# Altium PCB PCB1.PcbDoc
Units mm, origin at the board's own origin, x right, y up, seen from the top; angles counter-clockwise.
Board outline 152.4 x 101.6 mm, 2 copper layers (Top Layer, Bottom Layer); 47 components, 50 nets, 186 pads, 39 vias.
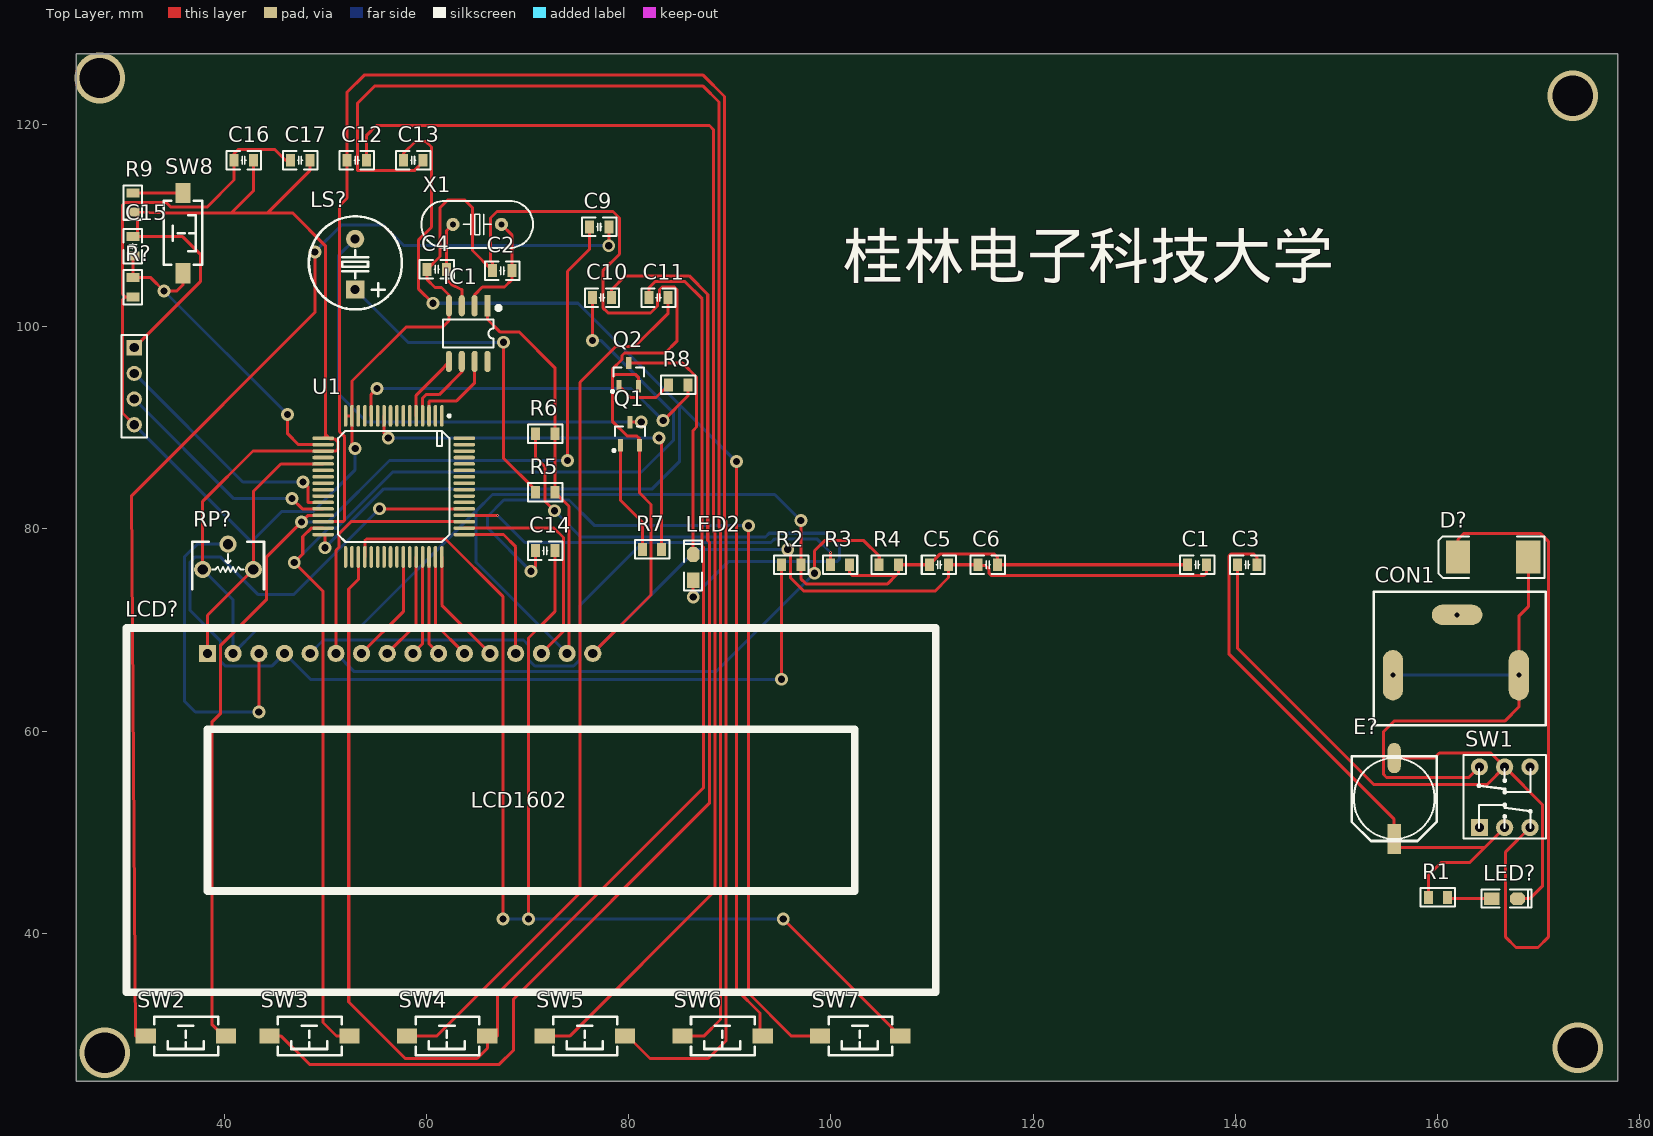
[diagram p0: Top Layer view]
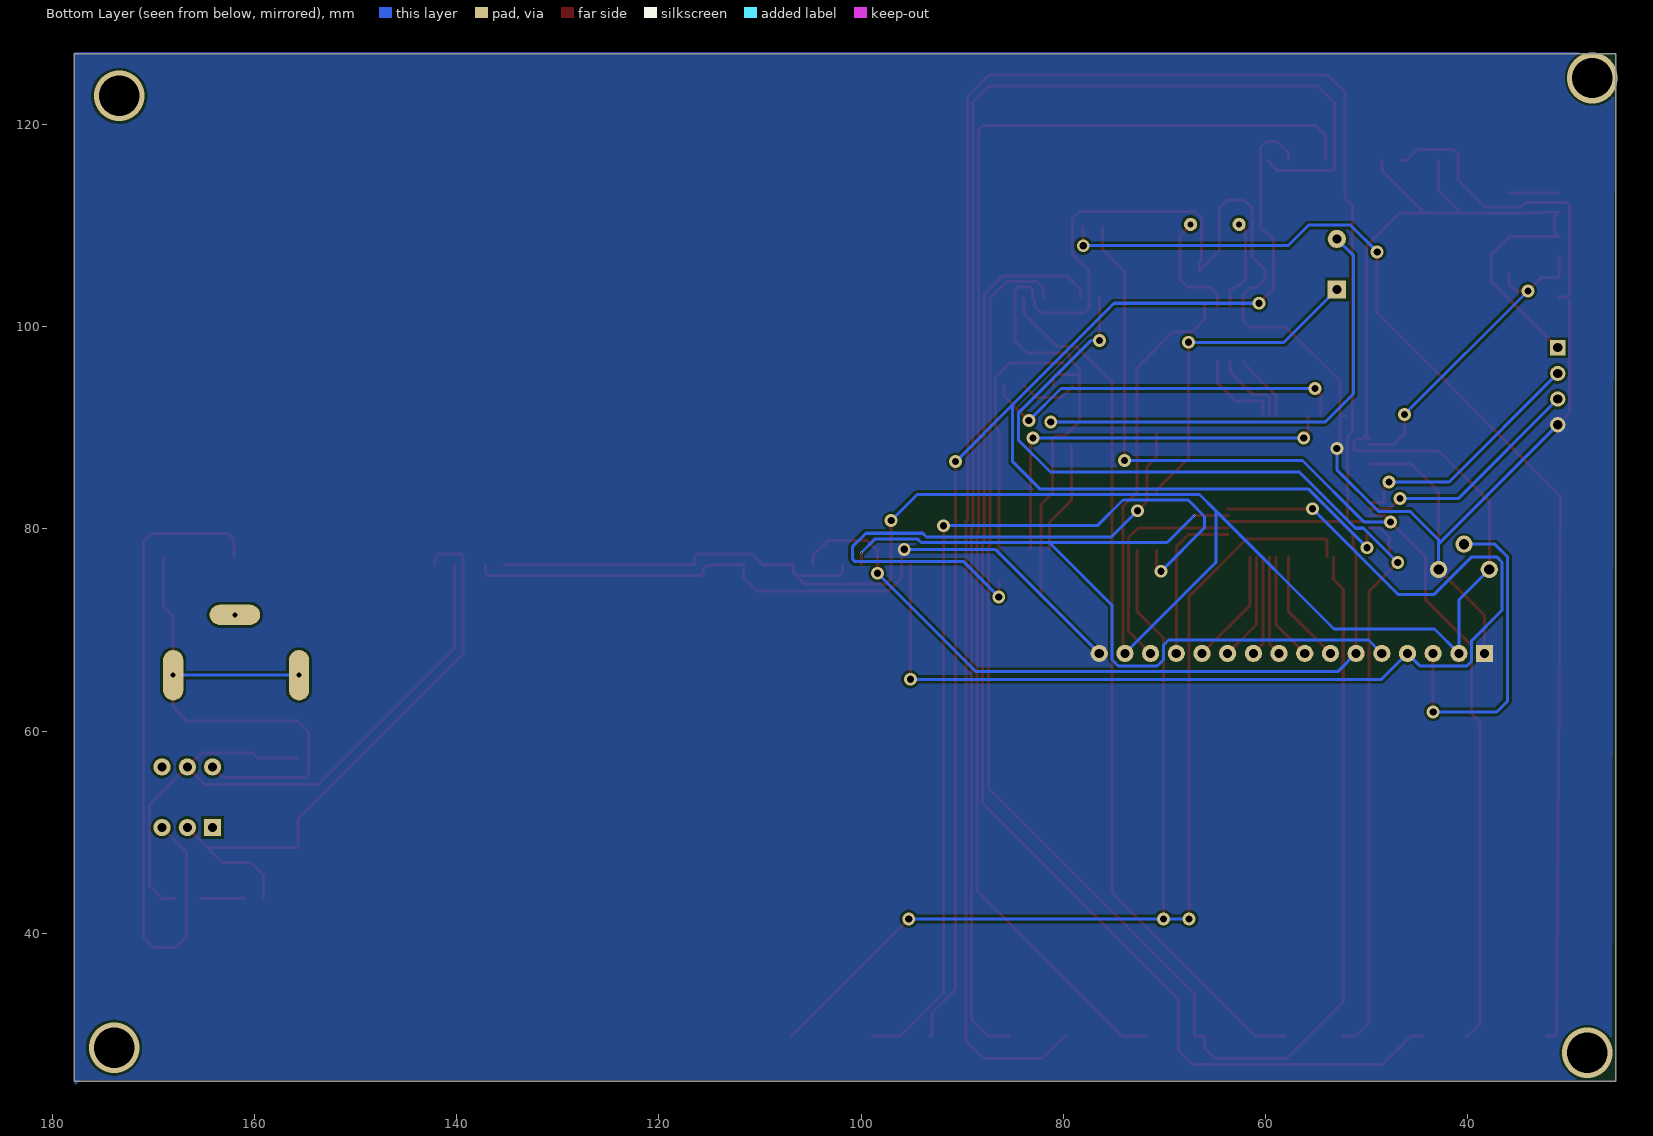
[diagram p1: Bottom Layer view, seen from below]
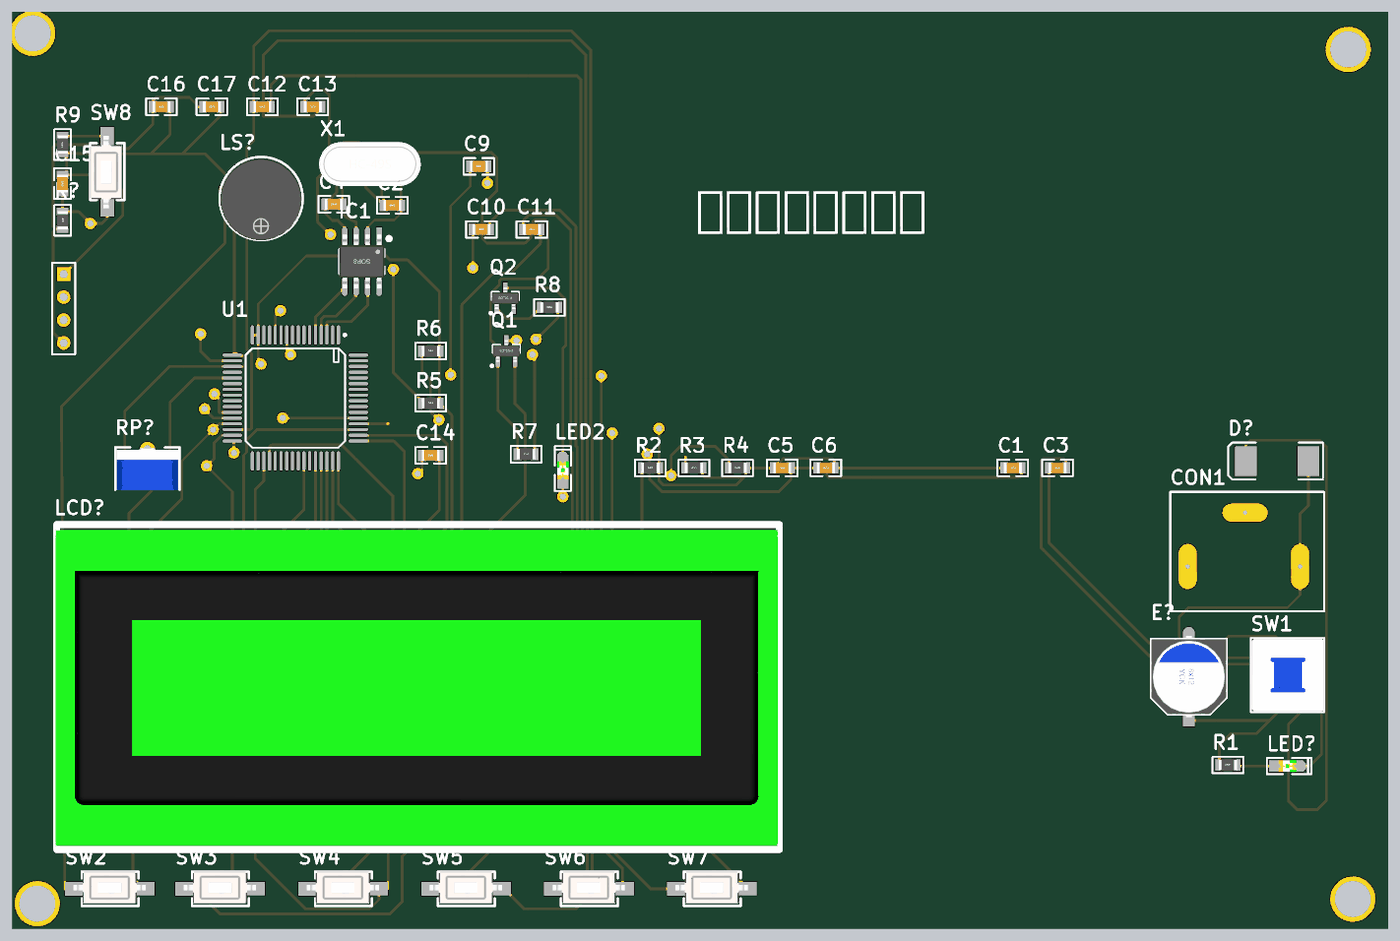
[diagram p2: 3D render of the assembled board from above, using the file's embedded part models]

## Layer stack, top to bottom
Top Solder: solder mask 0.0102, Solder Resist, Dk 3.5
Top Layer: signal copper 0.0356
Dielectric 1: dielectric 0.32, FR-4, Dk 4.8
Bottom Layer: signal copper 0.0356
Bottom Solder: solder mask 0.0102, Solder Resist, Dk 3.5

## Board outline
25.4,25.4 177.8,25.4 177.8,127 25.4,127

## Design rules (kind name [scope] priority, off if disabled: settings)
Clearance [All] p1: gap=0.254 ignorepadtopadclearanceinfootprint=FALSE except(0: Arc-Hole Track-Hole SMDPad-Hole THPad-Hole Via-Hole Fill-Hole Poly-Hole Region-Hole Text-Hole)
PolygonConnect [All] p1: connectstyle=Direct reliefconductorwidth=0.254 reliefentries=4 polygonreliefangle="90 Angle" airgapwidth=0.254
RoutingVias [All] p1: holewidth=0.711 width=1.27 viastyle="Through Hole" minholewidth=0.711 minwidth=1.27 maxholewidth=0.711 maxwidth=1.27
SolderMaskExpansion [All] p1: expansion=0.102 istentingtop=FALSE
Width [All] p1: maxlimit=5 minlimit=0.254 preferedwidth=0.3
30 further rules are at their usual default settings.

## Components (designator, comment, footprint, x,y, rotation, side; value= is the part's Value field where it differs from the comment)
C1 "104" "C 0805_L" 136.21,76.454 r0 top
C2 "22pf" "C 0805_L" 67.503,105.537 r0 top
C3 "22pf" "C 0805_L" 141.163,76.454 r0 top
C4 "22pf" "C 0805_L" 61.026,105.664 r0 top
C5 "104" "C 0805_L" 110.683,76.454 r0 top
C6 "104" "C 0805_L" 115.509,76.454 r0 top
C9 "104" "C 0805_L" 77.089,109.855 r0 top
C10 "104" "C 0805_L" 77.367,102.87 r0 top
C11 "104" "C 0805_L" 82.955,102.87 r0 top
C12 "104" "C 0805_L" 53.11,116.459 r0 top
C13 "104" "C 0805_L" 58.698,116.459 r0 top
C14 "104" "C 0805_L" 71.755,77.851 r180 top
C15 "22pf" "C 0805_L" 30.988,107.95 r270 top
C16 "104" "C 0805_L" 41.934,116.459 r0 top
C17 "104" "C 0805_L" 47.522,116.459 r0 top
CON1 "5.5*2.1" CON 161.925,71.501 r0 top
D? "SS34" SMC 165.481,77.216 r180 top
E? "10uF/10V" "CT 8*12 - C" 155.702,53.34 r270 top
IC1 "DS1302" SOP8_M 64.135,99.314 r270 top
LCD? "LCD1602" LCD-1602 38.354,67.691 r0 top
LED2 "红色" "LED 0805G" 86.384,76.2 r90 top
LED? "红色" "LED 0805G" 166.624,43.434 r0 top
LS? "BUZZ" "BEEP 5x9x5.5" 52.959,106.172 r0 top
Q1 "SS8050" SOT23-3N 80.137,89.408 r0 top
Q2 "SS8050" SOT23-3N 80.01,95.25 r0 top
R1 "1K" "R 0805_L" 160.02,43.561 r0 top
R2 "10K" "R 0805_L" 96.078,76.454 r0 top
R3 "10K" "R 0805_L" 100.904,76.454 r0 top
R4 "10K" "R 0805_L" 105.73,76.454 r0 top
R5 "1K" "R 0805_L" 71.755,83.63 r0 top
R6 "1K" "R 0805_L" 71.755,89.408 r0 top
R7 "10R" "R 0805_L" 82.32,77.978 r0 top
R8 "10R" "R 0805_L" 84.902,94.234 r0 top
R9 "1K" "R 0805_L" 30.988,112.268 r90 top
R? "10R" "R 0805_L" 30.988,103.886 r270 top
RP? "10K" 3306W 40.386,75.946 r0 top
SW1 "KET 8X8" "KFT DIP-8X8" 166.624,53.467 r0 top
SW2 "3x6x5" "TSW SMD-3*6*2.5" 36.195,29.845 r180 top
SW3 "3x6x5" "TSW SMD-3*6*2.5" 48.412,29.845 r180 top
SW4 "3x6x5" "TSW SMD-3*6*2.5" 62.027,29.845 r180 top
SW5 "3x6x5" "TSW SMD-3*6*2.5" 75.641,29.845 r180 top
SW6 "3x6x5" "TSW SMD-3*6*2.5" 89.256,29.845 r180 top
SW7 "3x6x5" "TSW SMD-3*6*2.5" 102.87,29.845 r180 top
SW8 "3x6x5" "TSW SMD-3*6*2.5" 35.941,109.22 r270 top
U1 "STC8A8K64S4A12-28I-LQFP64" CQFP64P1522X1522X310-64N 56.769,84.201 r270 top
X1 "32.768KHz" "OSC HC-49S" 65.024,110.109 r0 top
? "JP1" HDR1X4 31.115,97.917 r270 top

## Footprints (in the part's own frame and the unit in brackets; to place one, negate y for a bottom-side part, rotate by r counter-clockwise, add the part's x,y. Pads: shape width x height; smd on the part's side, far side on the other; paste and mask are expansions set on the pad)
3306W [mm] "https://item.taobao.com/item.htm?ft=t&id=613637044352"
  round 1.7 hole 1: 1(-2.5,0.04) 2(0,2.54) 3(2.5,0.04)
  silkscreen extent -3.56,-1.91 3.56,2.79, body extent -3.4,-1.96 3.4,2.69, height 8.6
"BEEP 5x9x5.5" [mm] "5*9*5.5mm(脚距,直径,高度)"
  rect 1.8x1.8 hole 0.9: 1(0,-2.5)
  round 1.8 hole 0.9: 2(0,2.5)
  silkscreen extent -4.58,-4.47 4.62,4.72, body extent -4.5,-4.5 4.5,4.5, height 5.45
"C 0805_L" [mil] "无极性贴片电容"
  rect 35x50 smd: 1(-37.41,0) 2(37.4,0)
  silkscreen extent -67,-36 67,36, body extent -39,-24 39,24, height 20
CON [mm]
  oval 5x2 hole 0.5: 1(0,0)
  oval 2x5 hole 0.5: 2(-6.35,-5.969) 3(6.096,-5.969)
  silkscreen extent -8.25,-10.92 8.76,2.29
CQFP64P1522X1522X310-64N [mm] "CQFP, 64-Leads, Body 15.22x15.22mm, Pitch 0.64mm, IPC Medium Density"
  oval 2.15x0.35 smd: 1(-6.975,4.762) 2(-6.975,4.127) 3(-6.975,3.492) 4(-6.975,2.857) 5(-6.975,2.222) 6(-6.975,1.587) 7(-6.975,0.952) 8(-6.975,0.317) 9(-6.975,-0.318) 10(-6.975,-0.953) 11(-6.975,-1.588) 12(-6.975,-2.223) 13(-6.975,-2.858) 14(-6.975,-3.493) 15(-6.975,-4.128) 16(-6.975,-4.763) 33(6.975,-4.762) 34(6.975,-4.127) 35(6.975,-3.492) 36(6.975,-2.857) 37(6.975,-2.222) 38(6.975,-1.587) 39(6.975,-0.952) 40(6.975,-0.317) 41(6.975,0.318) 42(6.975,0.953) 43(6.975,1.588) 44(6.975,2.223) 45(6.975,2.858) 46(6.975,3.493) 47(6.975,4.128) 48(6.975,4.763)
  oval 0.35x2.15 smd: 17(-4.762,-6.975) 18(-4.127,-6.975) 19(-3.492,-6.975) 20(-2.857,-6.975) 21(-2.222,-6.975) 22(-1.587,-6.975) 23(-0.952,-6.975) 24(-0.317,-6.975) 25(0.318,-6.975) 26(0.953,-6.975) 27(1.588,-6.975) 28(2.223,-6.975) 29(2.858,-6.975) 30(3.493,-6.975) 31(4.128,-6.975) 32(4.763,-6.975) 49(4.762,6.975) 50(4.127,6.975) 51(3.492,6.975) 52(2.857,6.975) 53(2.222,6.975) 54(1.587,6.975) 55(0.952,6.975) 56(0.317,6.975) 57(-0.318,6.975) 58(-0.953,6.975) 59(-1.588,6.975) 60(-2.223,6.975) 61(-2.858,6.975) 62(-3.493,6.975) 63(-4.128,6.975) 64(-4.763,6.975)
  silkscreen extent -7.1,-5.5 5.5,5.61, body extent -5.23,-5.23 5.23,5.23, height 3.1
"CT 8*12 - C" [mm] "直径8mm，高12mm"
  rect 3x1.3 smd: 1(4,0)
  oval 3x1.3 smd: 2(-4,0)
  silkscreen extent -4.2,-4.2 4.2,4.2, body extent -4.5,-4.15 4.5,4.15, height 12
HDR1X4 [mm] "Connector; Header; 4 Position"
  rect 1.5x1.5 hole 0.9: 1(0,0)
  round 1.5 hole 0.9: 2(2.54,0) 3(5.08,0) 4(7.62,0)
  silkscreen extent -1.27,-1.27 8.89,1.27
"KFT DIP-8X8" [mm] "自锁开关，规格：8*8mm"
  rect 1.7x1.7 hole 0.9: 1(-2.5,-3)
  round 1.7 hole 0.9: 2(0,-3) 3(2.5,-3) 4(2.5,3) 5(0,3) 6(-2.5,3)
  silkscreen extent -4.06,-4.06 4.06,4.15, body extent -3.95,-3.95 4.05,4.05, height 13.1
LCD-1602 [mm] "LCD module 16*2 char"
  rect 1.7x1.7 hole 0.9: 1(0,0)
  round 1.7 hole 0.9: 2(2.54,0) 3(5.08,0) 4(7.62,0) 5(10.16,0) 6(12.7,0) 7(15.24,0) 8(17.78,0) 9(20.32,0) 10(22.86,0) 11(25.4,0) 12(27.94,0) 13(30.48,0) 14(33.02,0) 15(35.56,0) 16(38.1,0)
  silkscreen extent -8,-33.5 72,2.5, body extent -8.15,-33.11 71.85,1.89, height 9
"LED 0805G" [mil] "绿色0805LED https://item.taobao.com/item.htm?ft=t&id=613637044352"
  rect 60x50 smd: 1(-50,0)
  oct 60x50 smd: 2(50,0)
  silkscreen extent -90,-35 105,35, body extent -39,-25 39,25, height 32
"OSC HC-49S" [mm]
  round 1.3 hole 0.6: 1(-2.4,0) 2(2.4,0)
  silkscreen extent -5.52,-2.32 5.52,2.33, body extent -5.52,-2.32 5.53,2.33, height 4.13
"R 0805_L" [mil] "1/8W贴片电阻   https://item.taobao.com/item.htm?ft=t&id=613637044352"
  rect 35x50 smd: 1(-37.4,0) 2(37.4,0)
  silkscreen extent -67,-36 67,36, body extent -39,-25 39,25, height 20
SMC [mm] "DO-214-AB/SMC; 2 C-Bend Leads; Body 7.9 x 5.9 mm, inc. leads (LxW)"
  rect 2.4x3.3 smd: 1(-3.475,0) 2(3.475,0)
  silkscreen extent -5.08,-2.05 5.42,2.06
SOP8_M [mm] "5*6*1.8mm（长宽高）"
  rect 2.1x0.6 smd: 1(-2.75,1.905)
  oval 2.1x0.6 smd: 2(-2.75,0.635) 3(-2.75,-0.635) 4(-2.75,-1.905) 5(2.75,-1.905) 6(2.75,-0.635) 7(2.75,0.635) 8(2.75,1.905)
  silkscreen extent -2.69,-2.5 1.4,3.15, body extent -3,-2.5 3,2.5, height 1.9
SOT23-3N [mm] "3x1.3x1mm(长宽高)"
  rect 0.5x1.2 smd: 1(-0.95,-1.143) 2(0.95,-1.143) 3(0,1.143)
  silkscreen extent -1.72,-1.78 1.5,0.7, body extent -1.5,-1.2 1.5,1.2, height 1.05
"TSW SMD-3*6*2.5" [mm] "3*6*2.5mm"
  rect 2x1.5 smd: 1(-3.996,-0.02) 2(3.937,0)
  silkscreen extent -3.21,-1.9 3.09,1.9, body extent -4,-1.88 4,1.62, height 2.59

## Part data
C1 C2 C3 C4 C5 C6 C9 C10 C11 C12 C13 C14 C15 C16 C17: library part C, "贴片电容", BOM名称=贴片电容, 下单链接=https://item.taobao.com/item.htm?ft=t&id=613637044352, 淘宝ID=小糖豆的小窝窝
CON1: library part CON1
D?: "肖特基二极管", BOM名称=肖特基二极管, 下单链接=https://item.taobao.com/item.htm?ft=t&id=613637044352, 淘宝ID=小糖豆的小窝窝
E?: library part CS_SMD, "贴片固态电容", BOM名称=贴片固态电容, 下单链接=https://item.taobao.com/item.htm?ft=t&id=613637044352, 淘宝ID=小糖豆的小窝窝
LED2 LED?: library part LED-SMD, "贴片LED", BOM名称=贴片LED, 下单链接=https://item.taobao.com/item.htm?ft=t&id=613637044352, 淘宝ID=小糖豆的小窝窝
LS?: "蜂鸣器", BOM名称=蜂鸣器, 下单链接=https://item.taobao.com/item.htm?ft=t&id=613637044352, 淘宝ID=小糖豆的小窝窝
Q1 Q2: library part 8050-SMD, "高频放大-NPN型", BOM名称=高频放大-NPN型, 下单链接=https://item.taobao.com/item.htm?ft=t&id=613637044352, 淘宝ID=小糖豆的小窝窝
R1 R2 R3 R4 R5 R6 R7 R8 R9 R?: library part R, "贴片电阻", BOM名称=贴片电阻, 下单链接=https://item.taobao.com/item.htm?ft=t&id=613637044352, 淘宝ID=小糖豆的小窝窝
RP?: library part RP, "单联电位器", BOM名称=单联电位器, 下单链接=https://item.taobao.com/item.htm?ft=t&id=613637044352, 淘宝ID=小糖豆的小窝窝
SW1: "8*8自锁开关", BOM名称=8*8自锁开关, 下单链接=https://item.taobao.com/item.htm?ft=t&id=613637044352, 淘宝ID=小糖豆的小窝窝
SW2 SW3 SW4 SW5 SW6 SW7 SW8: library part "TSW 3x6", "3x6轻触开关", BOM名称=3x6轻触开关, 下单链接=https://item.taobao.com/item.htm?ft=t&id=613637044352, 淘宝ID=小糖豆的小窝窝
X1: library part XTAL-2P, "2脚无源脚晶振", BOM名称=2脚无源脚晶振, 下单链接=https://item.taobao.com/item.htm?ft=t&id=613637044352, 淘宝ID=小糖豆的小窝窝
?: library part "Header 4", "Header, 4-Pin", LatestRevisionDate=17-Jul-2002, LatestRevisionNote="Re-released for DXP Platform.", Publisher="Altium Limited"
LCD?: BOM名称="LCD 1602", 下单链接=https://item.taobao.com/item.htm?ft=t&id=613637044352, 淘宝ID=小糖豆的小窝窝

## Via types
v1: diameter 1.27, hole 0.711, Top Layer to Bottom Layer, 33 vias
v2: diameter 5, hole 4, Top Layer to Bottom Layer, 4 vias
v3: diameter 0.2, hole 0.1, Top Layer to Bottom Layer, 2 vias

## Nets (pads, with @x,y where several pads share a name; then routed paths per layer and width w, separated by ;. In a path a pad name is that pad's centre, name@x,y a point inside that pad or via, vN(x,y) a via of type N, cw(c..) or ccw(c..) an arc to the next point about the centre after c; other vN are vias at no path point)
+5: ?.1 C1.1 C5.1 C6.2 C15.1 C16.2 C17.2 IC1.1 LCD?.2 LCD?.15 R2.2 R3.2 R4.2 R5.2 R6.2 R9.1 RP?.1 U1.17 U1.19 | length 281.5
  Top Layer w0.3: ?.1 37.649,104.451 37.649,107.156 35.905,108.9 C15.1 31.447,109.359 31.447,110.859 R9.1 34.213,111.258 40.73,111.258 ; RP?.1 37.886,82.728 42.852,87.694 51.054,87.694 51.273,87.913 51.273,88.568 50.934,88.908 50.45,88.908 50.013,89.344 ; C16.2 42.884,113.411 40.73,111.258 ; C17.2 48.472,115.418 44.312,111.258 ; U1.17 50.013,88.963 50.013,89.344 ; IC1.1 66.04,100.711 67.262,99.489 69.162,99.489 72.705,95.946 R6.2 R5.2 74.108,82.227 74.108,67.885 LCD?.15 ; v1(97.028,80.823) R2.2 97.028,75.08 97.536,74.572 105.611,74.572 106.426,75.387 ; R3.2 101.854,75.641 102.108,75.387 106.426,75.387 ; C1.1 C6.2 116.459,77.216 116.18,77.495 110.774,77.495 C5.1 R4.2 106.68,75.641 106.426,75.387 ; 40.73,111.258 44.312,111.258 ; 44.312,111.258 46.756,111.258 50.013,108.001 50.013,89.344
  Bottom Layer w0.3: RP?.1 40.894,72.978 LCD?.2 43.307,70.104 53.244,70.104 64.922,81.782 ; LCD?.15 64.922,76.683 64.922,81.782 ; v1(97.028,80.823) 94.444,83.406 66.547,83.406 64.922,81.782
BEEP: R7.2 U1.10 | length 40.3
  Top Layer w0.3: U1.10 55.816,89.421 v1(56.236,89.002) ; v1(83.007,89.002) 83.27,88.739 R7.2
  Bottom Layer w0.3: v1(56.236,89.002) v1(83.007,89.002)
CE: IC1.5 U1.5 | length 6.7
  Top Layer w0.3: U1.5 58.991,93.209 61.68,95.898 IC1.5
D0: LCD?.7 U1.42 | length 11.2
  Top Layer w0.3: LCD?.7 57.721,71.819 U1.42
D1: LCD?.8 U1.44 | length 10.7
  Top Layer w0.3: LCD?.8 58.991,70.549 U1.44
D2: LCD?.9 U1.45 | length 9.9
  Top Layer w0.3: LCD?.9 59.627,68.644 U1.45
D3: LCD?.10 U1.46 | length 9.9
  Top Layer w0.3: U1.46 60.261,68.644 LCD?.10
D4: LCD?.11 U1.47 | length 10.7
  Top Layer w0.3: U1.47 60.896,70.549 LCD?.11
D5: LCD?.12 U1.48 | length 11.5
  Top Layer w0.3: U1.48 61.531,72.453 LCD?.12
D6: LCD?.13 U1.49 | length 16.1
  Top Layer w0.3: U1.49 67.627,79.438 68.834,78.232 LCD?.13
D7: LCD?.14 U1.50 | length 22.6
  Top Layer w0.3: U1.50 72.626,80.073 73.554,79.146 73.554,69.871 LCD?.14
E: LCD?.6 R4.1 U1.51 | length 87.5
  Top Layer w0.3: LCD?.6 51.054,77.876 51.359,78.181 51.359,79.527 52.54,80.709 U1.51 ; v1(98.374,75.616) 98.374,77.826 99.388,78.839 103.253,78.839 104.78,77.313 R4.1
  Bottom Layer w0.3: LCD?.6 52.862,65.883 88.641,65.883 v1(98.374,75.616)
GND: ?.4 C1.2 C2.1 C4.1 C5.2 C6.1 C16.1 C17.1 IC1.4 LCD?.1 LCD?.16 Q1.2 Q2.2 R?.2 RP?.3 U1.15 U1.16 U1.21 | length 306.7
  Top Layer w0.3: R?.2 30.226,102.936 ; ?.4 29.947,91.465 29.947,102.657 30.226,102.936 ; LCD?.1 38.354,71.454 RP?.3 42.886,83.704 45.606,86.423 U1.21 ; C17.1 46.572,116.434 46.101,116.434 45.034,117.5 41.39,117.5 40.984,117.094 C16.1 40.984,114.492 38.303,111.812 34.747,111.812 34.291,112.268 30.201,112.268 29.947,112.014 29.947,103.215 30.226,102.936 ; U1.16 U1.15 ; v1(52.959,87.96) 52.642,88.278 U1.15 ; LCD?.16 82.22,73.457 82.22,82.408 81.087,83.541 Q1.2 81.087,88.9 80.782,89.205 79.832,89.205 78.384,90.653 78.384,94.996 ; Q2.2 80.96,94.996 80.706,95.25 78.638,95.25 78.384,94.996 ; v1(95.733,77.978) 95.987,77.724 95.987,75.184 97.333,73.838 110.287,73.838 111.633,75.184 C5.2 C6.1 114.622,76.391 115.278,76.391 115.611,76.058 115.611,75.652 115.847,75.415 116.253,75.415 116.256,75.413 136.906,75.413 137.16,75.667 C1.2 ; U1.15 52.642,94.615 57.975,99.949 61.595,99.949 62.23,100.584 IC1.4 62.23,103.124 61.493,103.861 60.863,103.861 60.076,104.648 C4.1 61.341,106.929 61.341,111.76 62.103,112.522 63.805,112.522 64.567,111.76 64.567,107.523 C2.1 66.553,106.319 66.345,106.528 66.345,110.744 66.98,111.379 78.461,111.379 79.096,110.744 79.096,107.163 77.445,105.512 77.445,101.879 77.978,101.346 82.169,101.346 82.853,102.03 82.853,102.667 83.056,102.87 83.056,103.672 83.293,103.909 84.516,103.909 84.76,103.665 84.76,98.552 83.605,97.397 79.593,97.397 79.35,97.154 79.35,96.749 78.384,95.783 78.384,94.996
  Bottom Layer w0.3: ?.4 42.886,78.526 ; RP?.3 42.886,78.526 ; v1(52.959,87.96) 52.959,85.852 48.844,81.737 45.72,81.737 42.886,78.903 42.886,78.526 ; LCD?.16 86.741,77.978 v1(95.733,77.978)
I/O: IC1.6 U1.4 | length 7.8
  Top Layer w0.3: U1.4 59.627,92.927 59.971,93.272 61.268,93.272 63.5,95.504 IC1.6
LED: R8.2 U1.12 | length 37.1
  Top Layer w0.3: U1.12 54.546,93.307 v1(55.118,93.878) ; v1(83.414,90.703) 85.852,93.142 R8.2
  Bottom Layer w0.3: v1(55.118,93.878) 80.239,93.878 v1(83.414,90.703)
Net_2: ?.2 U1.27 | length 24.9
  Top Layer w0.3: v1(47.803,84.645) 48.311,84.138 48.311,82.614 U1.27
  Bottom Layer w0.3: ?.2 41.846,84.645 v1(47.803,84.645)
Net_3: ?.3 U1.28 | length 23.2
  Top Layer w0.3: v1(46.723,82.995) 47.739,81.978 U1.28
  Bottom Layer w0.3: ?.3 40.957,82.995 v1(46.723,82.995)
NetC2_2: C2.2 IC1.2 X1.2 | length 11.3
  Top Layer w0.3: IC1.2 64.77,103.149 65.532,103.911 67.716,103.911 68.453,104.648 C2.2 68.453,109.08 X1.2
NetC3_1: C3.1 E?.2 LED?.2 SW1.5 | length 69
  Top Layer w0.3: C3.1 140.213,68.194 153.695,54.712 164.869,54.712 SW1.5 ; E?.2 159.664,57.34 160.16,57.836 165.255,57.836 SW1.5 ; LED?.2 169.113,43.434 170.383,44.704 170.383,52.708 SW1.5
NetC3_2: C3.2 E?.1 R1.1 SW1.2 | length 59.9
  Top Layer w0.3: C3.2 142.113,77.216 141.834,77.495 139.548,77.495 139.344,77.292 139.344,67.64 155.702,51.283 E?.1 155.702,48.489 164.646,48.489 ; R1.1 159.07,45.72 160.38,47.031 163.188,47.031 164.646,48.489 ; SW1.2 164.646,48.489
NetC4_2: C4.2 IC1.3 X1.1 | length 9.2
  Top Layer w0.3: X1.1 61.976,109.461 C4.2 61.976,104.673 62.484,104.165 63.5,103.657 IC1.3
NetC9_2: C9.2 SW2.2 | length 118.9
  Top Layer w0.3: SW2.2 31.242,29.845 30.861,83.287 48.971,101.397 v1(48.971,107.391) ; v1(78.039,108.001) C9.2
  Bottom Layer w0.3: v1(48.971,107.391) 51.613,110.033 55.753,110.033 57.785,108.001 v1(78.039,108.001)
NetC10_2: C10.2 SW3.2 | length 120.3
  Top Layer w0.3: SW3.2 45.644,29.845 48.438,27.051 67.208,27.051 68.605,28.448 68.605,33.494 87.977,52.866 87.977,78.712 87.824,78.865 87.824,103.183 85.99,105.017 79.668,105.017 78.317,103.666 C10.2
NetC11_2: C11.2 SW4.2 | length 86.5
  Top Layer w0.3: SW4.2 61.011,29.845 75.184,44.018 75.184,94.49 78.723,98.03 80.614,98.03 83.905,101.32 C11.2
NetC12_2: C12.2 SW5.2 | length 135.4
  Top Layer w0.3: C12.2 54.06,118.872 55.076,119.888 87.986,119.888 88.378,119.496 88.378,79.77 88.531,79.617 88.531,44.208 74.168,29.845 SW5.2
NetC13_2: C13.2 SW6.2 | length 146
  Top Layer w0.3: C13.2 59.648,116.256 58.812,115.42 53.211,115.42 53.211,122.121 54.864,123.774 87.376,123.774 88.932,122.219 88.932,80.171 89.085,80.018 89.085,31.496 87.434,29.845 SW6.2
NetC14_2: C14.2 SW7.2 | length 92
  Top Layer w0.3: v1(70.333,75.819) 70.805,76.291 C14.2 ; v1(91.846,80.315) 91.846,34.112 96.114,29.845 SW7.2
  Bottom Layer w0.3: v1(70.333,75.819) 66.04,80.112 66.04,81.229 67.663,82.852 74.108,82.852 76.645,80.315 v1(91.846,80.315)
NetC15_2: C15.2 R?.1 SW8.2 U1.18 | length 32.2
  Top Layer w0.3: C15.2 R?.1 32.756,104.836 v1(34.061,103.53) 35.331,103.53 35.941,104.14 SW8.2 ; v1(46.279,91.313) 46.279,89.408 47.358,88.328 U1.18
  Bottom Layer w0.3: v1(34.061,103.53) v1(46.279,91.313)
NetCON1_1: CON1.1
NetCON1_2: CON1.2 CON1.3 D?.1 SW1.6 | length 56.3
  Top Layer w0.3: SW1.6 163.08,55.423 154.94,55.423 154.635,55.728 154.635,59.944 155.677,60.985 166.624,60.985 168.021,62.382 CON1.3 168.021,71.374 168.956,72.309 D?.1
  Bottom Layer w0.3: CON1.2 CON1.3
NetCR1_1: IC1.8
NetD?_2: D?.2 SW1.3 | length 67.3
  Top Layer w0.3: D?.2 162.006,78.973 162.56,79.527 170.18,79.527 170.942,78.765 170.942,39.624 169.926,38.608 167.742,38.608 166.726,39.624 166.726,48.069 SW1.3
NetLCD?_3: LCD?.3 RP?.2 | length 32.7
  Top Layer w0.3: v1(43.434,61.9) LCD?.3
  Bottom Layer w0.3: RP?.2 37.338,78.486 36.068,77.216 36.068,62.992 37.16,61.9 v1(43.434,61.9)
NetLED2_1: LED2.1 R6.1 | length 57.2
  Top Layer w0.3: R6.1 70.805,87.056 71.73,86.131 71.73,82.728 v1(72.669,81.788) ; v1(86.384,73.279) LED2.1
  Bottom Layer w0.3: v1(72.669,81.788) 75.258,79.2 93.524,79.2 93.896,79.571 99.524,79.571 100.863,78.232 100.863,77.038 100.584,76.759 89.863,76.759 v1(86.384,73.279)
NetLED2_2: LED2.2 Q2.3 | length 25
  Top Layer w0.3: Q2.3 85.344,96.393 86.716,95.021 86.716,90.068 86.384,89.736 LED2.2
NetLED?_1: LED?.1 R1.2 | length 4.5
  Top Layer w0.3: R1.2 160.97,43.434 LED?.1
NetLS?_1: LS?.1 R5.1 | length 33
  Top Layer w0.3: v1(67.615,98.45) 67.615,87.01 70.805,83.82 R5.1
  Bottom Layer w0.3: LS?.1 58.181,98.45 v1(67.615,98.45)
NetLS?_2: LS?.2 Q1.3 | length 48.2
  Top Layer w0.3: Q1.3 80.162,90.576 v1(81.255,90.576)
  Bottom Layer w0.3: LS?.2 51.333,107.046 51.333,93.345 54.102,90.576 v1(81.255,90.576)
NetQ1_1: Q1.1 R7.1 | length 11.2
  Top Layer w0.3: Q1.1 79.187,82.829 81.37,80.647 R7.1
NetQ2_1: Q2.1 R8.1 | length 5.9
  Top Layer w0.3: Q2.1 80.178,92.989 82.707,92.989 R8.1
NetR9_2: R9.2 SW8.1 | length 4.9
  Top Layer w0.3: R9.2 33.452,113.218 33.454,113.216 SW8.1
P3.2: C9.1 SW2.1 U1.29 | length 110.4
  Top Layer w0.3: SW2.1 39.941,29.865 38.786,31.02 38.786,60.884 39.624,61.722 39.624,68.453 44.209,73.038 44.209,77.241 v1(47.663,80.696) 48.311,81.343 U1.29 ; v1(73.965,86.766) 73.965,105.471 76.139,107.645 C9.1
  Bottom Layer w0.3: v1(47.663,80.696) 50.292,80.696 56.363,86.766 v1(73.965,86.766)
P3.3: C12.1 SW5.1 U1.30 | length 189
  Top Layer w0.3: U1.30 51.74,80.709 51.918,80.886 51.918,89.103 51.41,89.611 51.41,111.95 52.16,112.7 C12.1 52.16,123.178 53.848,124.866 87.376,124.866 89.486,122.757 89.486,80.878 89.639,80.725 89.639,29.415 87.859,27.635 82.113,27.635 79.883,29.865 SW5.1
P3.4: C10.1 SW3.1 U1.31 | length 115.6
  Top Layer w0.3: U1.31 48.603,80.073 47.777,79.248 47.777,77.521 v1(46.939,76.683) 49.784,73.838 49.784,31.186 51.105,29.865 SW3.1 ; v1(76.417,98.615) C10.1
  Bottom Layer w0.3: v1(46.939,76.683) 50.319,80.062 51.106,80.062 56.667,85.623 81.28,85.623 84.453,88.796 84.453,91.44 77.278,98.615 v1(76.417,98.615)
P3.5: C13.1 SW6.1 U1.32 | length 160.9
  Top Layer w0.3: U1.32 49.962,79.438 v1(49.962,78.13) ; C13.1 57.748,117.133 58.928,118.313 59.944,118.313 60.503,117.754 60.503,109.83 59.207,108.534 59.207,103.759 v1(60.655,102.311) ; v1(90.653,86.65) 90.653,34.468 92.989,32.131 92.989,29.865 SW6.1
  Bottom Layer w0.3: v1(49.962,78.13) 55.792,83.96 82.336,83.96 85.007,86.631 85.007,92.296 ; v1(60.655,102.311) 74.992,102.311 85.007,92.296 ; v1(90.653,86.65) 85.007,92.296
P3.6: C11.1 SW4.1 U1.35 | length 151.7
  Top Layer w0.3: U1.35 53.276,75.006 52.324,74.054 52.324,33.223 57.912,27.635 65.024,27.635 66.04,28.651 SW4.1@66.04,29.865 ; SW4.1 SW4.1@66.04,29.865 ; C11.1 82.005,103.849 82.619,104.463 85.557,104.463 87.27,102.75 87.27,78.313 87.423,78.16 87.423,54.428 67.031,34.036 67.031,29.865 SW4.1@66.04,29.865
P3.7: C14.1 SW7.1 U1.36 | length 131.2
  Top Layer w0.3: U1.36 53.911,78.818 54.087,78.994 61.9,78.994 67.564,73.33 v1(67.564,41.427) ; v1(70.104,41.427) 70.104,69.215 72.705,71.816 C14.1 ; v1(95.295,41.427) 106.858,29.865 SW7.1
  Bottom Layer w0.3: v1(67.564,41.427) v1(70.104,41.427) v1(95.295,41.427)
R/W: LCD?.5 R3.1 U1.52 | length 82.8
  Top Layer w0.3: U1.52 v3(67.043,81.343) ; R3.1 v3(99.954,77.668)
  Bottom Layer w0.3: LCD?.5 49.835,69.012 69.596,69.012 70.104,68.504 70.104,67.056 70.723,66.437 74.565,66.437 75.184,67.056 75.184,72.441 81.389,78.646 ; v3(67.043,81.343) 69.741,78.646 81.389,78.646 ; v3(99.954,77.668) 98.605,79.017 94.45,79.017 94.078,78.646 81.389,78.646
RS: LCD?.4 R2.1 U1.53 | length 112
  Top Layer w0.3: v1(55.372,81.991) 55.385,81.978 U1.53 ; v1(95.128,65.126) R2.1
  Bottom Layer w0.3: v1(55.372,81.991) 46.914,73.533 43.332,73.533 39.624,77.241 37.16,77.241 36.627,76.708 36.627,71.942 39.624,68.945 39.624,66.929 40.132,66.421 44.704,66.421 LCD?.4 48.539,65.126 v1(95.128,65.126)
SCLK: IC1.7 U1.3 | length 8.8
  Top Layer w0.3: U1.3 60.261,92.603 60.317,92.659 62.992,92.659 64.77,94.437 IC1.7
pads on no net: SW1.1 SW1.4 U1.1 U1.2 U1.6 U1.7 U1.8 U1.9 U1.11 U1.13 U1.14 U1.20 U1.22 U1.23 U1.24 U1.25 U1.26 U1.33 U1.34 U1.37 U1.38 U1.39 U1.40 U1.41 U1.43 U1.54 U1.55 U1.56 U1.57 U1.58 U1.59 U1.60 U1.61 U1.62 U1.63 U1.64
copper on no net:
  other v2: 28.194,28.194 173.863,28.702 173.355,122.809 27.686,124.587

## Polygon pours and split planes (outlines as drawn)
GND on Bottom Layer "GND_L02_P000" (solid, remove dead copper, pour order 0): 25.527,127.127 177.8,127.127 177.8,25.146 177.673,25.019 177.165,25.527 25.781,25.527

## Silkscreen, mask and mechanical layers (free items; w line width, h text height)
Top Overlay:
  text "桂林电子科技大学" at 101.099,103.335 h7.62